# Altium PCB PowCarbinBoard.PcbDoc
Units mm, origin at the board's own origin, x right, y up, seen from the top; angles counter-clockwise.
Board outline 110 x 110 mm, 2 copper layers (Top Layer, Bottom Layer); 79 components, 68 nets, 343 pads, 838 vias.
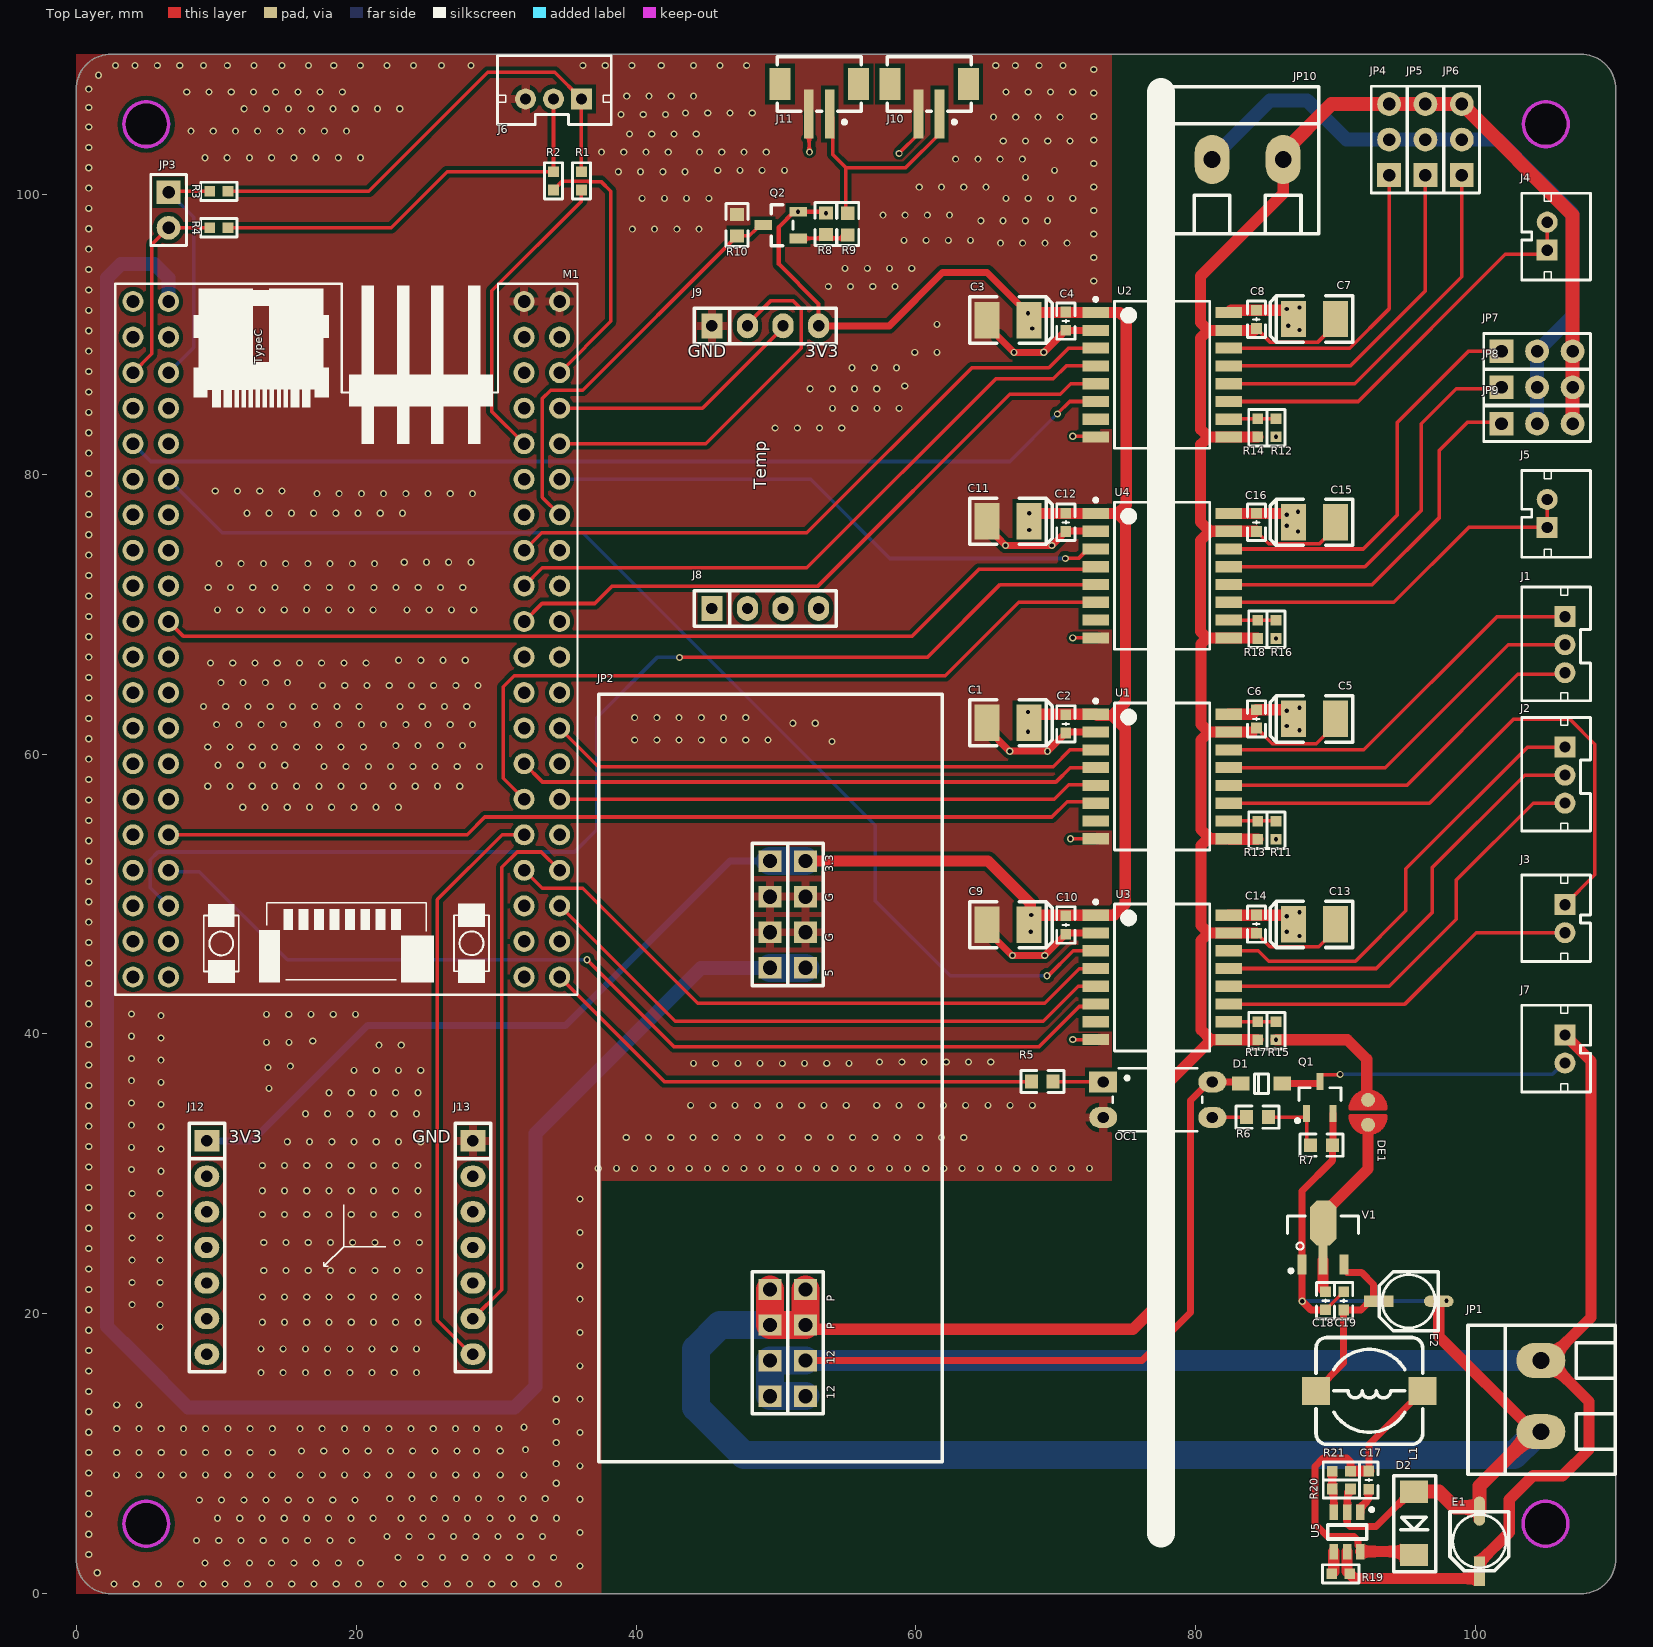
[diagram p0: Top Layer view]
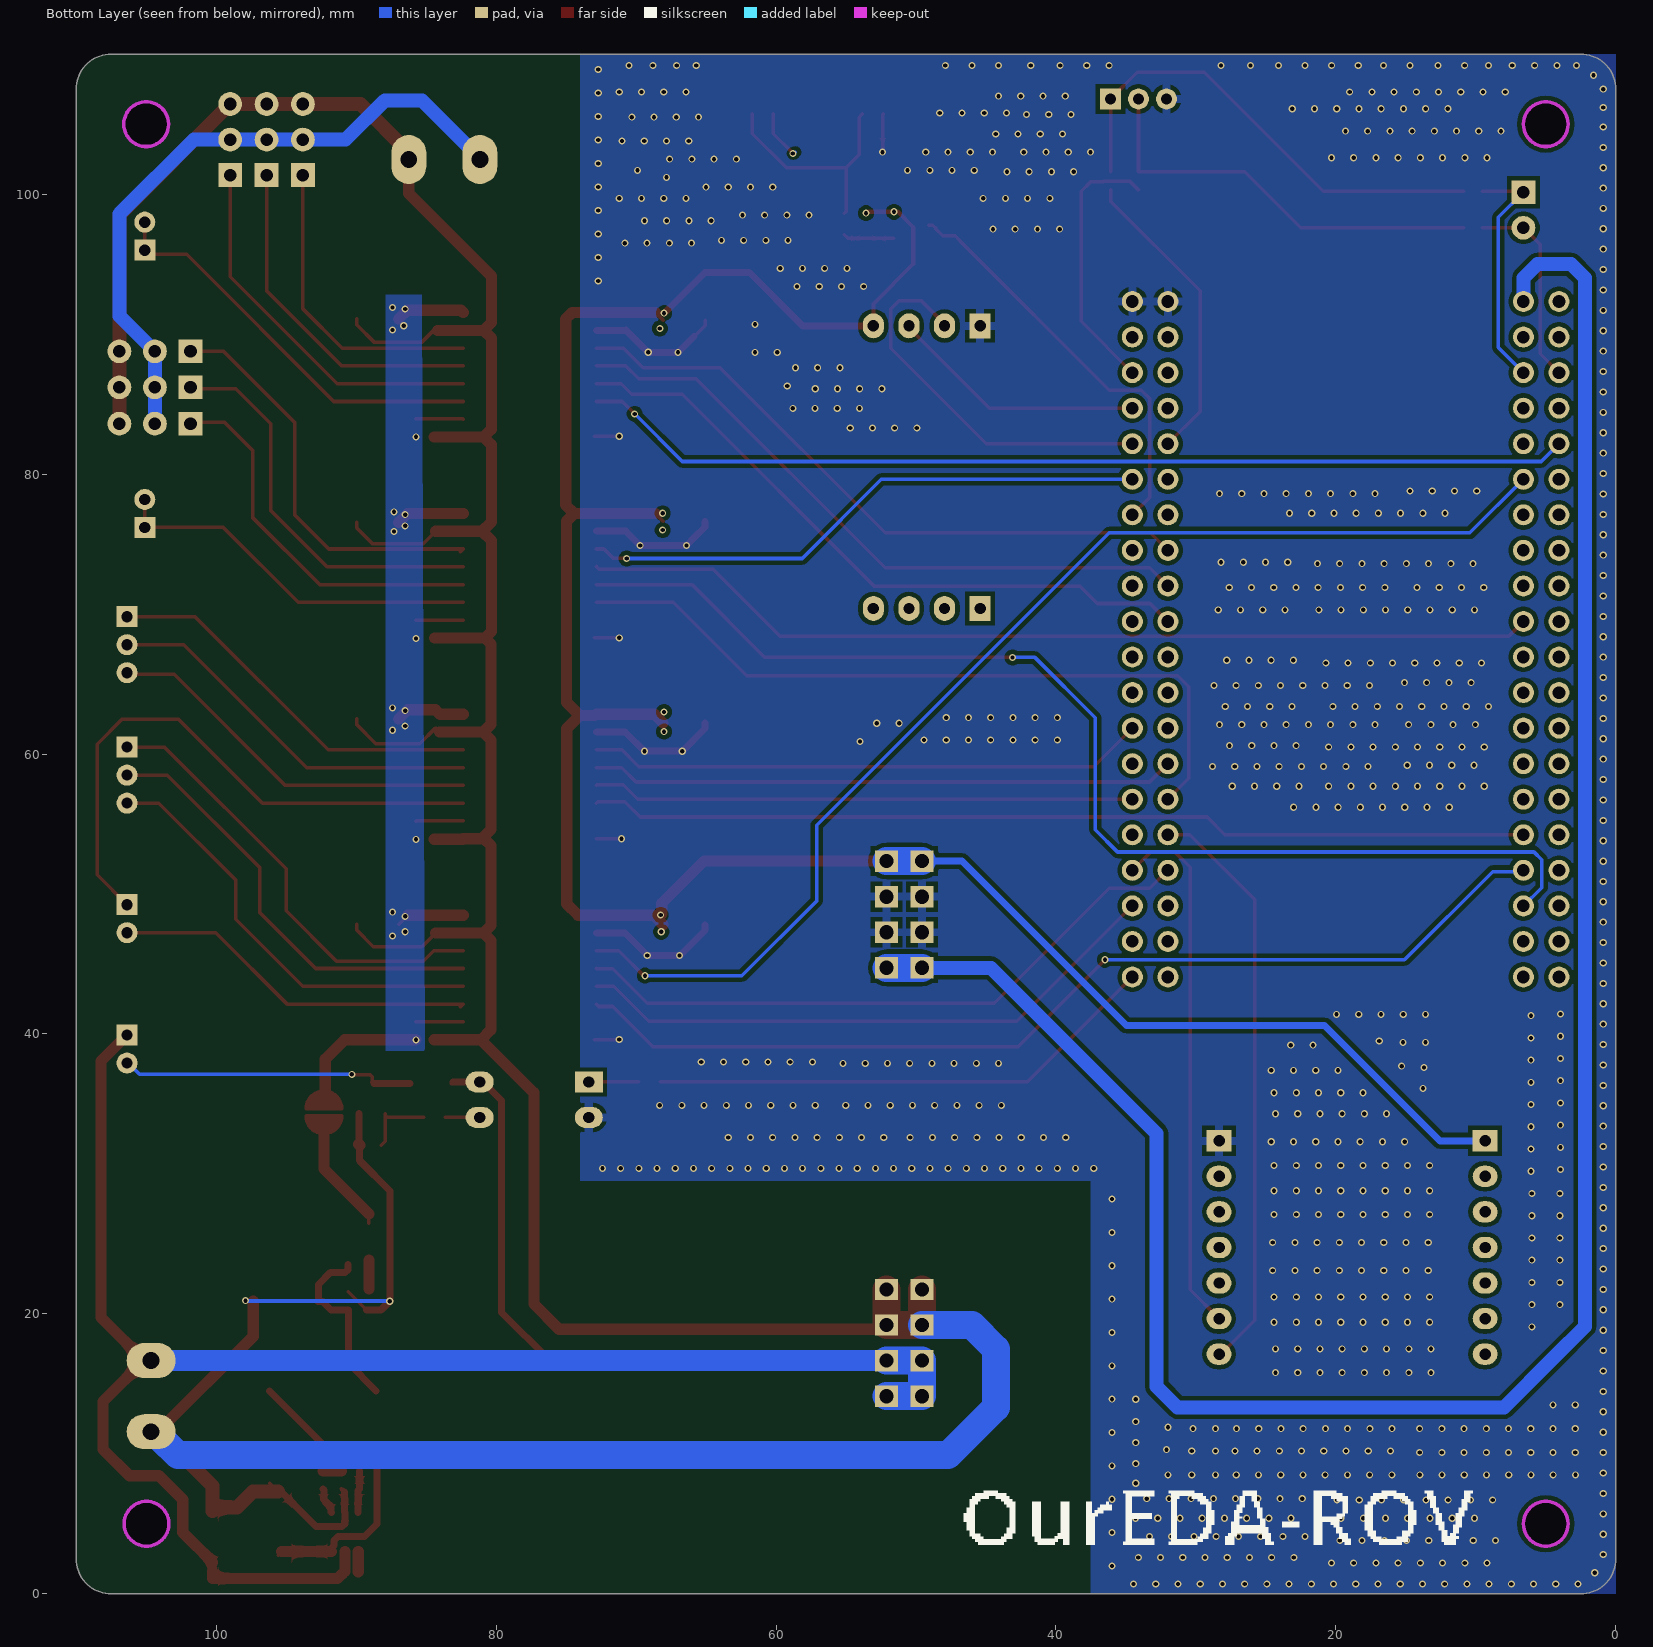
[diagram p1: Bottom Layer view, seen from below]

## Layer stack, top to bottom
Top Solder: solder mask 0.0102, Solder Resist, Dk 3.5
Top Layer: signal copper 0.0356
Dielectric 1: dielectric 0.32, FR-4, Dk 4.8
Bottom Layer: signal copper 0.0356
Bottom Solder: solder mask 0.0102, Solder Resist, Dk 3.5

## Board outline
0,2.5 ccw(c2.5,2.5) 2.5,0 2.464,0 107.5,0 ccw(c107.5,2.5) 110,2.5 110,107.511 ccw(c107.511,107.511) 107.511,110 2.5,110 ccw(c2.5,107.5) 0,107.5
cut-out: 4.993,103.393 cw(c4.993,104.993) 3.393,104.993 cw(c4.993,104.993) 4.993,106.593 cw(c4.993,104.993) 6.593,104.993 cw(c4.993,104.993)
cut-out: 103.393,104.993 ccw(c104.993,104.993) 104.993,103.393 ccw(c104.993,104.993) 106.593,104.993 ccw(c104.993,104.993) 104.993,106.593 ccw(c104.993,104.993)
cut-out: 103.393,4.993 ccw(c104.993,4.993) 104.993,3.393 ccw(c104.993,4.993) 106.593,4.993 ccw(c104.993,4.993) 104.993,6.593 ccw(c104.993,4.993)
cut-out: 3.393,4.993 ccw(c4.993,4.993) 4.993,3.393 ccw(c4.993,4.993) 6.593,4.993 ccw(c4.993,4.993) 4.993,6.593 ccw(c4.993,4.993)

## Design rules (kind name [scope] priority, off if disabled: settings)
Clearance [All] p1: gap=0.3 ignorepadtopadclearanceinfootprint=TRUE except(0.1: Arc-Arc Arc-Track Arc-SMDPad Arc-THPad Arc-Via Arc-Text Arc-Hole Track-Track Track-SMDPad Track-THPad Track-Via Track-Text Track-Hole SMDPad-SMDPad SMDPad-THPad SMDPad-Via SMDPad-Text SMDPad-Hole THPad-THPad THPad-Via THPad-Text THPad-Hole Via-Via Via-Text Via-Hole Text-Text Text-Hole)
ComponentClearance [All] p1: gap=0 collisioncheckmode=3 verticalgap=0 showdistances=FALSE
MinimumSolderMaskSliver [All] p1: minsoldermaskwidth=0.1
NetAntennae [All] p1: netantennaetolerance=0.5
PlaneConnect [All] p1: planeconnectstyle=Relief reliefexpansion=0.508 reliefentries=4 reliefconductorwidth=0.508 reliefairgap=0.4
PolygonConnect [All] p1: thpad.connectstyle=Relief thpad.reliefconductorwidth=0.6 thpad.reliefentries=4 thpad.polygonreliefangle="90 Angle" thpad.airgapwidth=0.3 smdpad.connectstyle=Direct smdpad.reliefconductorwidth=0.4 smdpad.reliefentries=4 smdpad.polygonreliefangle="90 Angle" smdpad.airgapwidth=0.3 via.connectstyle=Direct via.reliefconductorwidth=0.4 via.reliefentries=4 via.polygonreliefangle="90 Angle" via.airgapwidth=0.3
RoutingVias [All] p1: holewidth=0.711 width=1.27 viastyle="Through Hole" minholewidth=0.711 minwidth=1.27 maxholewidth=0.711 maxwidth=1.27
SilkToSilkClearance [All] p1: silktosilkclearance=0
SilkToSolderMaskClearance [IsPad] p1: minsilkscreentomaskgap=0.1 clearancetoexposedcopper=TRUE
SolderMaskExpansion [All] p1: expansion=0.102 istentingtop=FALSE
Width [All] p1: maxlimit=2 minlimit=0.1 preferedwidth=0.254
24 further rules are at their usual default settings.

## Classes and differential pairs
component class Sensor: J8 J9 J10 J11 J12 J13 Q2 R8 R9 R10
component class PowCarbinBoard_General: JP1 JP2 JP3 R1 R2 R3 R4
component class MCU: M1
component class Isolation: C1 C2 C3 C4 C5 C6 C7 C8 C9 C10 C11 C12 C13 C14 C15 C16 C17 C18 C19 D2 DE1 E1 E2 L1 R11 R12 R13 R14 R15 R16 R17 R18 R19 R20 R21 U1 U2 U3 U4 U5 V1
component class Connect: D1 J1 J2 J3 J4 J5 J6 J7 JP4 JP5 JP6 JP7 JP8 JP9 JP10 OC1 Q1 R5 R6 R7

## Components (designator, comment, footprint, x,y, rotation, side; value= is the part's Value field where it differs from the comment)
C1 "10uF" CASE-B_3528 66.569,62.227 r0 top
C2 "104" "C 0603_L" 70.709,62.151 r90 top
C3 "10uF" CASE-B_3528 66.569,91.005 r0 top
C4 "104" "C 0603_L" 70.709,90.929 r90 top
C5 "10uF" CASE-B_3528 88.465,62.506 r180 top
C6 "104" "C 0603_L" 84.324,62.506 r90 top
C7 "10uF" CASE-B_3528 88.464,91.081 r180 top
C8 "104" "C 0603_L" 84.324,91.056 r90 top
C9 "10uF" CASE-B_3528 66.569,47.8 r0 top
C10 "104" "C 0603_L" 70.709,47.785 r90 top
C11 "10uF" CASE-B_3528 66.569,76.629 r0 top
C12 "104" "C 0603_L" 70.709,76.552 r90 top
C13 "10uF" CASE-B_3528 88.465,47.825 r180 top
C14 "104" "C 0603_L" 84.324,47.85 r90 top
C15 "10uF" CASE-B_3528 88.464,76.552 r180 top
C16 "104" "C 0603_L" 84.324,76.552 r90 top
C17 "103" "C 0603_L" 92.354,8.128 r270 top
C18 "104" "C 0603_L" 89.264,20.942 r90 top
C19 "104" "C 0603_L" 90.559,20.932 r270 top
D1 "1N4007" SOD-123 84.679,36.446 r0 top
D2 "SS56" SMA 95.58,7.101 r270 top
DE1 "DEBUG PAD" DEBUG_A 92.3,34.4 r90 top
E1 "4.7uF" "CM B(4*5.4)" 100.254,3.759 r270 top
E2 "10uF" "CM B(4*5.4)" 95.2,20.9 r180 top
J1 "PH2.0-3P" PH2.0-3P 106.368,69.809 r270 top
J2 "PH2.0-3P" PH2.0-3P 106.368,60.491 r270 top
J3 "PH2.0-2P" PH2.0-2P 106.368,49.235 r270 top
J4 "PH2.0-2P" PH2.0-2P 105.1,96 r90 top
J5 "PH2.0-2P" PH2.0-2P 105.1,76.188 r90 top
J6 "PH2.0-3P" PH2.0-3P 36.1,106.8 r180 top
J7 "PH2.0-2P" PH2.0-2P 106.368,39.917 r270 top
J8 "Female HDR1X4" Fe-HDR1X4/2.54-S 45.42,70.4 r90 top
J9 "Female HDR1X4" Fe-HDR1X4/2.54-S 45.42,90.593 r90 top
J10 "GH1.25" "GH1.25 2pin" 60.731,107.761 r180 top
J11 "GH1.25" "GH1.25 2pin" 52.883,107.761 r180 top
J12 "Female HDR1X7" Fe-HDR1X7/2.54-S 9.336,32.365 r0 top
J13 "Female HDR1X7" Fe-HDR1X7/2.54-S 28.345,32.365 r0 top
JP1 "HDR-1X2" KF128-5.08-2P 104.648,14.122 r90 top
JP2 "电源模块接口" "排针-座 2*4" 52.1,14.12 r180 top
JP3 "HDR-1X2" HDR2.54-LI-2P 6.6,98.87 r270 top
JP4 "HDR-1X3" HDR2.54-LI-3P 93.8,103.9 r90 top
JP5 "HDR-1X3" HDR2.54-LI-3P 96.4,103.9 r90 top
JP6 "HDR-1X3" HDR2.54-LI-3P 99,103.9 r90 top
JP7 "HDR-1X3" HDR2.54-LI-3P 104.376,88.773 r0 top
JP8 "HDR-1X3" HDR2.54-LI-3P 104.376,86.2 r0 top
JP9 "HDR-1X3" HDR2.54-LI-3P 104.376,83.6 r0 top
JP10 "HDR-1X2" KF128-5.08-2P 83.7,102.476 r0 top
L1 "4.7uH" CDRH74 92.39,14.5 r180 top
M1 "FK750M2-VBT6核心板" FK750M2-VBT6(精简版) 19.3,68.2 r90 top
OC1 "TLP521" DIP_TLP521 73.374,36.573 r0 top
Q1 "SS8050" SOT23-3N 88.86,35.455 r0 top
Q2 "SS8550 Y2" SOT-23(SOT-23-3) 50.323,97.79 r0 top
R1 "0Ω" "R 0603_L" 36.1,100.95 r90 top
R2 "0Ω" "R 0603_L" 34.1,100.95 r90 top
R3 "0Ω" "R 0603_L" 10.2,100.2 r0 top
R4 "0Ω" "R 0603_L" 10.2,97.6 r0 top
R5 "1.5K" 0603_R 69.03,36.6 r180 top
R6 "1K" 0603_R 84.4,34.058 r0 top
R7 "10K" 0603_R 88.972,32.052 r180 top
R8 "27KΩ (2702) ±1%" 0603_R 53.569,97.874 r90 top
R9 "1KΩ (1001) ±1%" 0603_R 55.118,97.866 r270 top
R10 "1KΩ (1001) ±1%" 0603_R 47.219,97.79 r270 top
R11 "0Ω" "R 0603_L" 85.721,54.556 r270 top
R12 "0Ω" "R 0603_L" 85.721,83.309 r270 top
R13 "0Ω" "R 0603_L" 84.425,54.556 r90 top
R14 "0Ω" "R 0603_L" 84.425,83.309 r90 top
R15 "0Ω" "R 0603_L" 85.721,40.23 r270 top
R16 "0Ω" "R 0603_L" 85.721,68.907 r270 top
R17 "0Ω" "R 0603_L" 84.425,40.23 r90 top
R18 "0Ω" "R 0603_L" 84.425,68.907 r90 top
R19 "100K" "R 0603_L" 90.348,1.422 r180 top
R20 "9.53K" "R 0603_L" 90.399,7.493 r0 top
R21 "49.9K" "R 0603_L" 90.399,8.763 r0 top
U1 "ISOW7840" ISOW7840 77.593,58.391 r0 top
U2 "ISOW7840" ISOW7840 77.593,87.093 r0 top
U3 "ISOW7840" ISOW7840 77.593,44.04 r0 top
U4 "ISOW7840" ISOW7840 77.593,72.742 r0 top
U5 "MP2359DJ-LF-Z" SOT-23-6 90.805,4.417 r90 top
V1 "AMS1117-3V3" SOT89_N 89.086,25.478 r0 top

## Footprints (in the part's own frame and the unit in brackets; to place one, negate y for a bottom-side part, rotate by r counter-clockwise, add the part's x,y. Pads: shape width x height; smd on the part's side, far side on the other; paste and mask are expansions set on the pad)
0603_R [mm]
  rect 0.93x0.98 smd: 1(-0.77,0) 2(0.77,0)
  silkscreen extent -1.53,-0.79 1.54,0.79, body extent -0.85,-0.4 0.85,0.4, height 0.56
"C 0603_L" [mil] "无极性贴片电容"
  rect 30x30 smd: 1(-25.59,0) 2(25.59,0)
  silkscreen extent -51,-26 51,26, body extent -31,-16 31,16, height 32
CASE-B_3528 [mm]
  rect 1.8x2.6 smd: 1(1.5,0) 2(-1.5,0)
  silkscreen extent -2.73,-1.65 3.16,1.65, body extent -1.85,-1.47 1.85,1.46, height 2.03
CDRH74 [mm] "7.3*7.3*4.5mm（长宽高）"
  rect 2x2 smd: 1(-3.81,0) 2(3.81,0)
  silkscreen extent -3.81,-3.81 3.81,3.81, body extent -3.65,-3.65 3.65,3.65, height 4.5
"CM B(4*5.4)" [mm] "贴片电解电容，直径4mm，高5.4mm"
  rect 2.1x0.8 smd: 1(2.15,0)
  oval 2.1x0.8 smd: 2(-2.15,0)
  silkscreen extent -2.1,-2.1 2.1,2.1, body extent -2.3,-2.12 2.3,2.18, height 5.4
DEBUG_A [mm] "调试断点焊盘"
  round 1 smd paste-1: 1(-0.889,0) 2(0.889,0)
  Top Layer region: -0.254,1.27 -0.254,-1.27 -0.762,-1.143 -1.397,-0.508 -1.524,0.254 -1.27,0.762 -1.016,1.016 -0.508,1.27
  Top Layer region: 0.254,1.27 0.254,-1.27 0.762,-1.143 1.397,-0.508 1.524,0.254 1.27,0.762 1.016,1.016 0.508,1.27
  Top Layer lines w0.254: -0.254,1.27 ccw(c-0.254,0) -1.524,0 ccw(c-0.254,0) -0.254,-1.27 -0.254,1.27 ; 0.254,1.27 cw(c0.254,0) 1.52,0.1 cw(c0.254,0) 0.889,-1.1 cw(c0.254,0) 0.254,-1.27 0.254,1.27
DIP_TLP521 [mm]
  rect 2x1.5 hole 0.8 mask+0: 1(0,0)
  oval 2x1.5 hole 0.8 mask+0: 2(0,-2.54) 3(7.8,-2.54) 4(7.8,0)
  silkscreen extent 0.69,-3.52 7.09,0.98
Fe-HDR1X4/2.54-S [mil]
  rect 70x60 hole 32: 1(0,0)
  oval 70x60 hole 32: 2(0,-100) 3(0,-200) 4(0,-300)
  silkscreen extent -50,-350 50,50, body extent -44,-355 54,55, height 335
Fe-HDR1X7/2.54-S [mil]
  rect 70x60 hole 32: 1(0,0)
  oval 70x60 hole 32: 2(0,-100) 3(0,-200) 4(0,-300) 5(0,-400) 6(0,-500) 7(0,-600)
  silkscreen extent -50,-650 50,50, body extent -49,-655 49,55, height 126
FK750M2-VBT6(精简版) [mm]
  round 1.5 hole 0.9: 1(24.13,-12.7) 2(24.13,-15.24) 3(21.59,-12.7) 4(21.59,-15.24) 5(19.05,-12.7) 6(19.05,-15.24) 7(16.51,-12.7) 8(16.51,-15.24) 9(13.97,-12.7) 10(13.97,-15.24) 11(11.43,-12.7) 12(11.43,-15.24) 13(8.89,-12.7) 14(8.89,-15.24) 15(6.35,-12.7) 16(6.35,-15.24) 17(3.81,-12.7) 18(3.81,-15.24) 19(1.27,-12.7) 20(1.27,-15.24) 21(-1.27,-12.7) 22(-1.27,-15.24) 23(-3.81,-12.7) 24(-3.81,-15.24) 25(-6.35,-12.7) 26(-6.35,-15.24) 27(-8.89,-12.7) 28(-8.89,-15.24) 29(-11.43,-12.7) 30(-11.43,-15.24) 31(-13.97,-12.7) 32(-13.97,-15.24) 33(-16.51,-12.7) 34(-16.51,-15.24) 35(-19.05,-12.7) 36(-19.05,-15.24) 37(-21.59,-12.7) 38(-21.59,-15.24) 39(-24.13,-12.7) 40(-24.13,-15.24) 41(24.13,15.24) 42(24.13,12.7) 43(21.59,15.24) 44(21.59,12.7) 45(19.05,15.24) 46(19.05,12.7) 47(16.51,15.24) 48(16.51,12.7) 49(13.97,15.24) 50(13.97,12.7) 51(11.43,15.24) 52(11.43,12.7) 53(8.89,15.24) 54(8.89,12.7) 55(6.35,15.24) 56(6.35,12.7) 57(3.81,15.24) 58(3.81,12.7) 59(1.27,15.24) 60(1.27,12.7) 61(-1.27,15.24) 62(-1.27,12.7) 63(-3.81,15.24) 64(-3.81,12.7) 65(-6.35,15.24) 66(-6.35,12.7) 67(-8.89,15.24) 68(-8.89,12.7) 69(-11.43,15.24) 70(-11.43,12.7) 71(-13.97,15.24) 72(-13.97,12.7) 73(-16.51,15.24) 74(-16.51,12.7) 75(-19.05,15.24) 76(-19.05,12.7) 77(-21.59,15.24) 78(-21.59,12.7) 79(-24.13,15.24) 80(-24.13,12.7)
  silkscreen extent -25.4,-16.51 25.4,16.51, body extent -25.4,-16.51 25.4,16.51, height 8.36
"GH1.25 2pin" [mm]
  rect 0.7x3.5 smd: 1(-0.955,2.034) 2(0.545,2.034)
  rect 1.5x2.3 smd: 3(2.595,-0.116) 4(-3.005,-0.116)
  silkscreen extent -3.2,-2.05 2.8,2.74
HDR2.54-LI-2P [mm] "排针，2脚"
  rect 1.7x1.7 hole 0.9: 1(-1.27,0)
  round 1.7 hole 0.9: 2(1.27,0)
  silkscreen extent -2.54,-1.27 2.54,1.27, body extent -2.54,-1.27 2.54,1.27, height 8.5
HDR2.54-LI-3P [mm] "排针，3脚"
  rect 1.7x1.7 hole 0.9: 1(-2.54,0)
  round 1.7 hole 0.9: 2(0,0) 3(2.54,0)
  silkscreen extent -3.81,-1.27 3.81,1.27, body extent -3.81,-1.27 3.81,1.27, height 8.5
ISOW7840 [mm] "SOIC, 16-Leads, Body 10.30x7.50mm, Pitch 1.27mm, IPC Medium Density"
  rect 1.9x0.8 smd: 1(-4.75,4.445) 2(-4.75,3.175) 3(-4.75,1.905) 4(-4.75,0.635) 5(-4.75,-0.635) 6(-4.75,-1.905) 7(-4.75,-3.175) 8(-4.75,-4.445) 9(4.75,-4.445) 10(4.75,-3.175) 11(4.75,-1.905) 12(4.75,-0.635) 13(4.75,0.635) 14(4.75,1.905) 15(4.75,3.175) 16(4.75,4.445)
  silkscreen extent -4.87,-5.25 3.4,5.52, body extent -3.8,-5.25 3.8,5.25, height 2.65
KF128-5.08-2P [mm] "螺钉式接线端子，脚距5.08mm"
  oval 2.5x3.5 hole 1.2: 1(-2.54,0) 2(2.54,0)
  silkscreen extent -5.59,-5.31 5.08,5.21, body extent -5.58,-5.3 5.08,5.2, height 14.15
PH2.0-2P [mm]
  rect 1.5x1.5 hole 0.8: 1(0,0)
  round 1.5 hole 0.8: 2(2,0)
  silkscreen extent -2.13,-3.08 4.06,1.82, body extent -1.95,-2.97 3.95,1.73, height 6.01
PH2.0-3P [mm]
  rect 1.5x1.5 hole 0.8: 1(0,0)
  round 1.5 hole 0.8: 2(2,0) 3(4,0)
  silkscreen extent -2.13,-3.08 6,1.82, body extent -1.95,-3.02 5.95,1.68, height 6.01
"R 0603_L" [mil] "1/10W贴片电阻"
  rect 30x30 smd: 1(-25.59,0) 2(25.59,0)
  silkscreen extent -51,-26 51,26, body extent -31,-16 32,16, height 16
SMA [mil] "DO-214AC(2010)"
  rect 63x78.74 smd: 1(-8,0) 2(170.56,0)
  silkscreen extent -53,-57 217,61, body extent -8,-52 174,54, height 94
SOD-123 [mm]
  rect 1.25x1 smd: 1(1.475,0) 2(-1.475,0)
  silkscreen extent -0.5,-0.7 0.5,0.7, body extent -1.85,-0.77 1.85,0.78, height 1.35
SOT23-3N [mm] "3x1.3x1mm(长宽高)"
  rect 0.5x1.2 smd: 1(-0.95,-1.143) 2(0.95,-1.143) 3(0,1.143)
  silkscreen extent -1.72,-1.78 1.5,0.7, body extent -1.5,-1.2 1.5,1.2, height 1.05
SOT89_N [mm] "4.6x4.3x1.6mm(长宽高)"
  rect 0.65x1.4 smd: 1(-1.5,-1.952) 3(1.5,-1.952)
  rect 0.65x2.1 smd: 2(0,-1.626)
  oct 1.9x3.2 smd: 2(0,1.016)
  silkscreen extent -2.54,-2.52 2.54,1.52, body extent -2.3,-2.4 2.3,1.9, height 1.6
SOT-23(SOT-23-3) [mm]
  rect 1.25x0.7 smd: 1(1.25,-0.95) 2(1.25,0.95) 3(-1.25,0)
  silkscreen extent -0.65,-1.46 0.9,1.46, body extent -1.5,-1.5 1.5,1.5, height 1.3
SOT-23-6 [mm]
  rect 1.1x0.6 smd: 1(1.4,-0.95) 2(1.4,0) 3(1.4,0.95) 4(-1.4,0.95) 5(-1.4,0) 6(-1.4,-0.95)
  silkscreen extent -0.5,-1.87 1.72,1.4
"排针-座 2*4" [mil]
  rect 65x60 hole 40: 1(0,0) 2(0,-100) 3(0,-200) 4(0,-300) 5(100,-300) 6(100,-200) 7(100,-100) 8(100,0) 9(0,-1205) 10(0,-1305) 11(0,-1405) 12(0,-1505) 13(100,-1505) 14(100,-1405) 15(100,-1305) 16(100,-1205)
  silkscreen extent -385,-1975 582,185

## Part data
C1 C3 C5 C7 C9 C11 C13 C15: library part "3528 100uF (107) 10% 6.3V", "钽电容", Package=3528, SuppliersPartNumber=C16133, ComponentLink1Description=供应商链接, ComponentLink1URL=http://www.szlcsc.com/product/details_16815.html, Supplier=LC
C2 C4 C6 C8 C10 C12 C14 C16 C17 C18 C19: library part C, "无极性贴片电容", BOM名称=无极性贴片电容, 学习资源=www.ooocke.com, 版权归属=源创客
D1: "整流二极管", BOM名称=整流二极管, 学习资源=www.ooocke.com, 版权归属=源创客
D2: library part SS14, "肖特基二极管", BOM名称=肖特基二极管, 学习资源=www.ooocke.com, 属性=40V/1A, 版权归属=源创客
DE1: library part DEBUG, "调试断点焊盘", BOM名称=调试断点焊盘, 学习资源=www.ooocke.com, 版权归属=源创客
E1 E2: library part C-CM, "贴片电解电容", BOM名称=贴片电解电容, 学习资源=www.ooocke.com, 版权归属=源创客
J10 J11: library part "GH1.25 2pin"
JP1 JP3 JP10: library part "Header 2", "2P接插件", BOM名称=2P接插件, 学习资源=www.ooocke.com, 版权归属=源创客
JP4 JP5 JP6 JP7 JP8 JP9: library part "Header 3", "3P接插件", BOM名称=3P接插件, 学习资源=www.ooocke.com, 版权归属=源创客
L1: library part L-CDRH, "功率屏蔽电感", BOM名称=功率屏蔽电感, 学习资源=www.ooocke.com, 版权归属=源创客
M1: library part FK750M2-VBT6
OC1: "开关光耦"
Q1: library part 8050-SMD, "高频放大-NPN型", BOM名称=高频放大-NPN型, 学习资源=www.ooocke.com, 属性="40V 1.5A 1W 100MHZ", 版权归属=源创客
Q2: library part "SOT-23 SS8550 Y2", "三极管", Package=SOT-23, SuppliersPartNumber=C8542, ComponentLink1Description=供应商链接, ComponentLink1URL=http://www.szlcsc.com/product/details_9037.html, Supplier=LC
R1 R2 R3 R4 R11 R12 R13 R14 R15 R16 R17 R18 R19 R20 R21: library part R, "贴片电阻", BOM名称=贴片电阻, 学习资源=www.ooocke.com, 版权归属=源创客
R5 R6 R7: library part "0603 10KΩ (1002) 1%", "贴片电阻", Package=0603, SuppliersPartNumber=C25804, ComponentLink1Description=供应商链接, ComponentLink1URL=http://www.szlcsc.com/product/details_26547.html, Supplier=LC
R8: library part "0603 27KΩ (2702) 1%", "贴片电阻", Package=0603, SuppliersPartNumber=C22967, ComponentLink1Description=供应商链接, ComponentLink1URL=http://www.szlcsc.com/product/details_23694.html, Supplier=LC
R9 R10: library part "0603 1KΩ (1001) 1%", "贴片电阻", Package=0603, SuppliersPartNumber=C21190, ComponentLink1Description=供应商链接, ComponentLink1URL=http://www.szlcsc.com/product/details_21904.html, Supplier=LC
U5: library part MP2359DJ-LF-Z_[C14259], "DC-DC芯片", Package=SOT-23-6, SuppliersPartNumber=C14259, ComponentLink1Description=供应商链接, ComponentLink1URL=http://www.szlcsc.com/product/details_14917.html, Supplier=LC
V1: library part AMS1117, "三端稳压芯片", BOM名称=稳压芯片, 学习资源=www.ooocke.com, 版权归属=源创客

## Via types
v1: diameter 0.508, hole 0.305, Top Layer to Bottom Layer, tented both sides, 797 vias
v2: diameter 0.508, hole 0.305, Top Layer to Bottom Layer, 41 vias
